# Altium PCB STM32-ROMI_Rev_A.PcbDoc (part 2 of 2)
Units mil, origin at the board's own origin, x right, y up, seen from the top; angles counter-clockwise.
Board outline 3630.03 x 5139.28 mil, 4 copper layers (Top Copper, GND1, Power1, Bottom Copper), stack 61.811 mil thick; 200 components, 162 nets, 720 pads, 364 vias.
Unrouted connection lines stored in the file: 8.
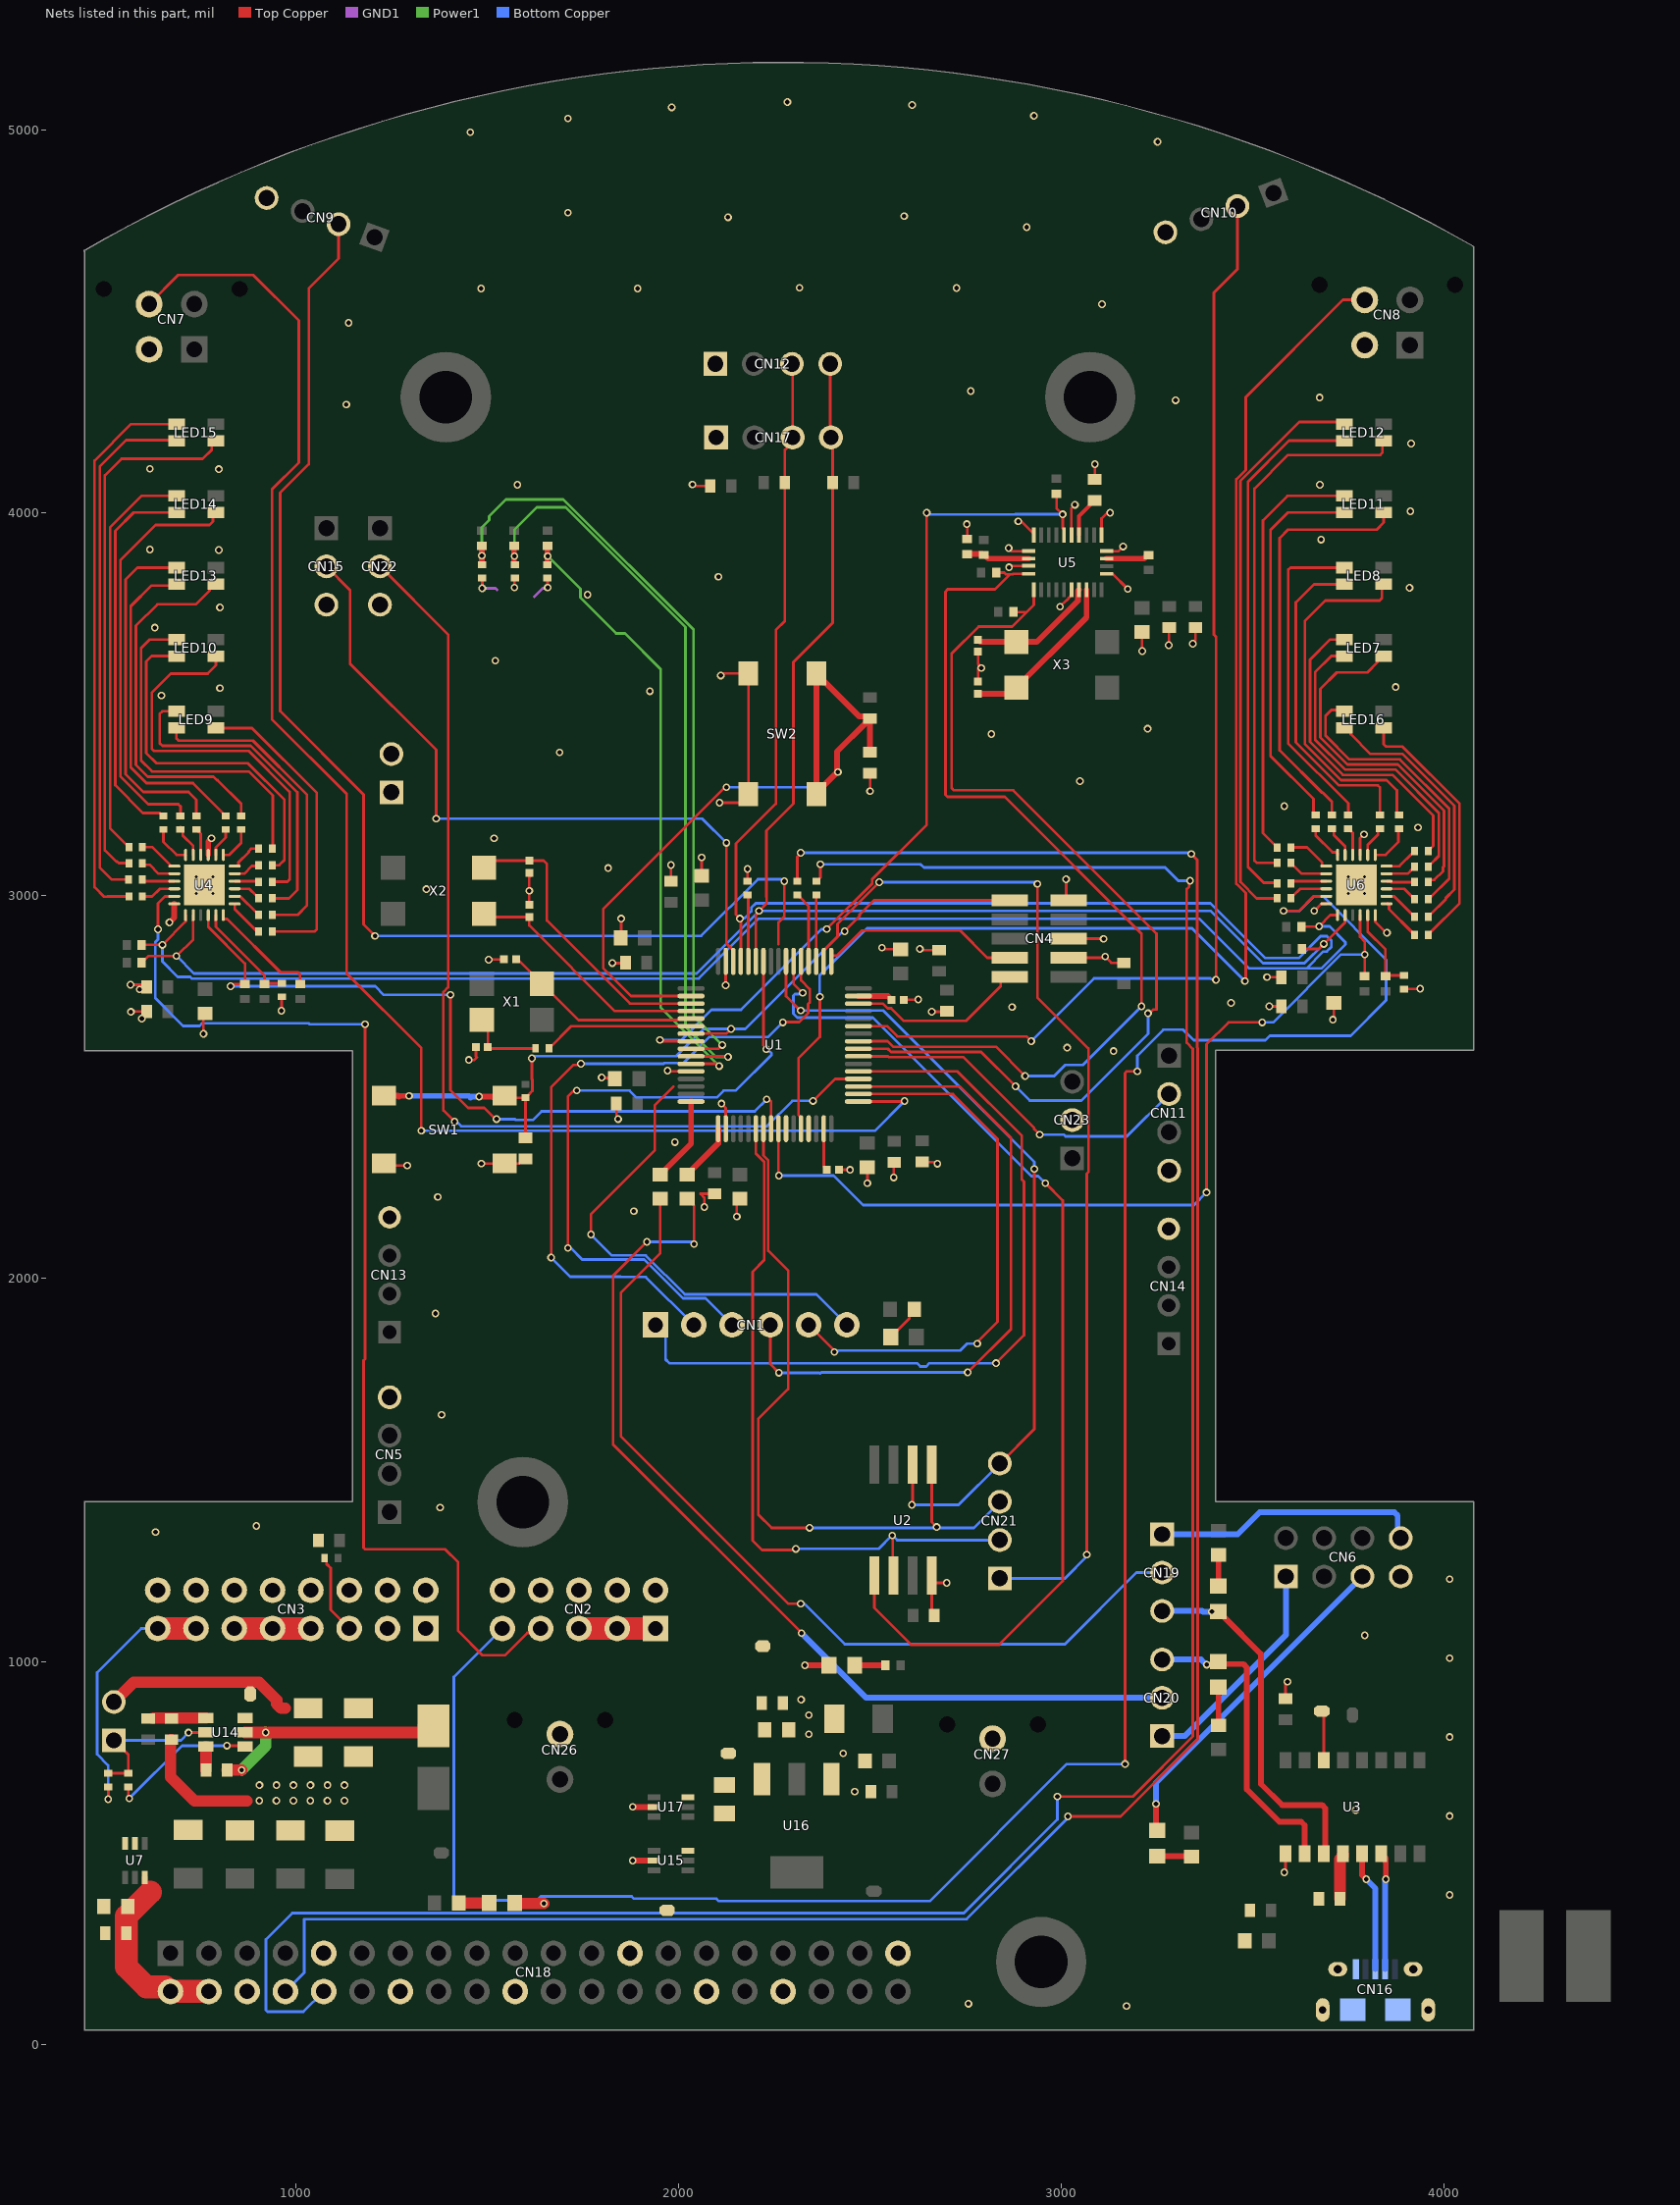
[diagram p4: the nets of this part, all layers, seen from the top]

## Via types
v1: diameter 20, hole 12, Top Copper to Bottom Copper, 356 vias
v2: diameter 19.68, hole 7.87, Top Copper to Bottom Copper, 8 vias

## Nets (pads, with @x,y where several pads share a name; then routed paths per layer and width w, separated by ;. In a path a pad name is that pad's centre, name@x,y a point inside that pad or via, vN(x,y) a via of type N, cw(c..) or ccw(c..) an arc to the next point about the centre after c; other vN are vias at no path point) (continued)
GND: C1.2 C2.2 C3.2 C4.2 C5.2 C6.2 C7.2 C8.2 C9.2 C10.2 C11.2 C12.2 C13.2 C14.2 C15.2 C16.2 C17.2 C18.2 C19.2 C20.2 C21.2 C22.2 C23.2 C24.2 C25.2 C26.2 C27.2 C28.2 C29.2 C30.2 C31.2 C32.2 C33.2 C34.2 C35.2 C36.2 C37.2 C38.2 C39.2 C40.2 C42.2 C43.2 C44.2 C45.2 C46.2 C47.2 C48.2 C49.2 C50.2 C51.2 C52.2 C53.2 C54.2 C55.2 CN2.2 CN2.4 CN2.6 CN2.8 CN2.10 CN3.2 CN3.4 CN3.6 CN3.8 CN3.10 CN3.12 CN3.14 CN3.16 CN4.3 CN4.5 CN4.9 CN5.4 CN6.7 CN7.2 CN8.2 CN9.4 CN10.4 CN11.4 CN12.1 CN13.4 CN14.4 CN15.3 CN16.5 CN17.1 CN18.6 CN18.9 CN18.14 CN18.20 CN18.25 CN18.30 CN18.34 CN18.39 CN22.3 CN23.2 CN25.1 CN25.2 CN26.2 CN27.2 LED5.2 LED6.2 R4.1 R15.1 R50.1 R63.1 R64.1 R69.1 R73.1 R74.1 R75.1 SW1.3 SW1.4 SW2.3 SW2.4 TP3.1 TP4.1 U1.12 U1.18 U1.63 U2.4 U3.1 U4.9 U4.18 U4.25 U5.2 U5.5 U5.6 U5.10 U5.15 U5.16 U5.18 U5.25 U6.9 U6.18 U6.24 U6.25 U7.2 U7.3 U15.2 U16.1 U17.2 | length 4595.4
  Top Copper w7: v1(568.39,2767.5) C26.2@611.39,2767.5 ; v1(569.39,2696.5) 570.39,2697.5 C27.2@610.83,2697.5 ; v1(592,2755) 594.71,2755 v1@596.71,2757 ; v1(598,2679) 600.71,2679 C27.2@602.71,2681 ; v1(759,2639) 759,2688.12 C28.2@763.39,2692.51 ; v1(962.39,2699.5) 963.39,2700.5 R64.1@963.39,2736.07 ; SW1.3@1206.52,2300.42 1212.94,2294 1213.94,2295 v1(1291,2295) ; v1(1452,2571) 1466.29,2571 1473,2577.71 1470.45,2580.26 1470.45,2603.8 C3.2@1470.25,2604 ; v1(1484.8,2300.42) 1584.04,2300.42 1596.06,2312.44 C4.2@1600,2312.44 ; v1(1487,3803) R73.1@1487,3829.28 ; v1(1504,2832.5) 1504.75,2833.25 1543.5,2833.25 C2.2@1544.25,2834 ; v1(1571,3805) 1571,3828.28 R74.1@1572,3829.28 ; C47.2@1610,2975.75 1610,3048.53 1616.24,3054.76 1615.24,3054.76 C30.2@1610,3060 ; R75.1@1657,3829.28 1658,3828.28 v1(1658,3805) ; v1(1799,2525) 1800.2,2523.8 1831.7,2523.8 C7.2@1833.5,2522 ; v1(1827,2824) 1857.56,2824 1858,2823.56 1860.44,2826 C12.2@1861.44,2825 ; C8.2@1837.44,2457 1837.44,2420.6 1841.54,2416.5 v1(1842,2416.5) ; C14.2@1848.5,2890 1850,2891.5 v1(1850,2940) ; v1(1971.21,2543.31) 1973.42,2541.1 U1.12@2032.5,2541.1 ; C11.2@1980,3037.56 v1(1980,3080) ; v1(2036,4074) 2038.71,4074 2042.71,4070 C21.2@2082.44,4070 ; C16.2@2060,3051.5 v1(2060,3100) ; v1(2067,2187) 2067,2211.57 2057.13,2221.44 C6.2@2094,2221.44 ; v1(2107.08,3242.92) 2160.33,3242.92 2182.42,3265.01 SW2.3@2182.42,3580.48 2118.19,3580.48 2112.71,3575 v1(2110,3575) ; v1(2112,2457) 2123.05,2445.95 U1.18@2123.05,2391.5 ; v1(2123,2766) U1.63@2123.05,2828.5 U1.63@2123.05,2828.5 ; v1(2152,2162) 2152,2195.5 2162.5,2206 C25.2@2160,2208.5 ; R4.1@2180,3037.72 v1(2180,3070) ; C20.2@2419.75,2284 v1(2448,2284) ; v1(2493,2249) C15.2@2493,2291 ; v1(2500,3273) C24.2@2500,3320 ; v1(2531,2864) 2533.71,2864 2537.71,2860 C17.2@2580,2860 ; v1(2562,2264) 2562,2302.44 C18.2@2563,2303.44 ; C19.2@2587.75,2728 2625,2728 v1(2626,2729) ; v1(2630,2861) 2632.71,2861 2636.15,2857.56 C10.2@2680,2857.56 ; C9.2@2636,2304.44 2668.85,2304.44 2673.29,2300 v1(2676,2300) ; U2.4@2661,1224 U2.4@2661,1214.1 ; v1(2661,2697) 2699.56,2697 C13.2@2701,2698.44 ; C5.2@2667.56,1120 2661,1126.56 U2.4@2661,1214.1 ; v1(2700,1205) 2680,1205 2679.9,1205.1 2670,1205.1 U2.4@2661,1214.1 ; v1(2753,3970.37) 2754,3969.37 R63.1@2754,3931.69 ; C50.2@2782,3558.75 2782,3593.59 2786.71,3598.29 v1(2790.64,3594.36) ; C49.2@2782,3637.25 2782,3605.71 2784,3603.71 v1@2784,3598.29 ; v1(2862,3908) 2870.11,3899.89 U5.16@2914.78,3899.89 ; v1(2863,3857.7) 2866.66,3861.36 U5.18@2914.78,3861.36 ; v1(2887,3978) 2894.15,3978 2927.57,3944.58 U5.15@2927.57,3941.74 ; v1(2996,3755) 3013.31,3772.31 3014.14,3772.31 3018.24,3776.42 3018.24,3777.24 3023.81,3782.81 3024.58,3782.81 3026,3784.24 U5.25@3026,3799 ; v1(3012,3043) 3012,2994.77 CN4.9@3018.77,2988 ; CN4.3@3018.77,2838 3108.29,2838 3111.29,2841 v1(3114,2841) 3130.44,2824.56 C1.2@3163,2824.56 ; CN4.5@3018.77,2888 3109,2888 v1(3110,2887) ; U5.10@3026,3941.74 3026,4012 v1(3035,4021) ; C51.2@3087,4087.56 v1(3087,4127) ; U5.6@3104.74,3941.74 3104.74,3985.22 3119.52,4000 v1(3127,4000) ; U5.2@3117.54,3840.83 3133.17,3840.83 v1(3173,3801) ; U5.5@3117.54,3899.89 3148.89,3899.89 v1(3161,3912) ; C48.2@3210,3688.63 3210,3640 v1(3211,3639) ; v1(3280,3654) 3281,3655 C34.2@3281,3700.44 ; v1(3343,3658) 3343,3660.71 3350,3667.71 C33.2@3350,3700.44 ; v1(3536.71,2787) C31.2@3574.44,2787 ; v1(3542.71,2711) C29.2@3574.44,2711 ; v1(3582,449) 3582,451.71 3585,454.71 U3.1@3585,497.95 ; C22.2@3585,902.56 3585,939.29 3590,944.29 v1(3590,947) ; v1(3660,2960) 3678.63,2978.63 U6.18@3691.52,2978.63 ; v1(3709,2676) 3709,2678.71 3711,2680.71 C32.2@3711,2717.5 ; U6.9@3780.1,3106.58 3780.1,3150.1 v1(3790,3160) ; U6.24@3819.47,2949.1 3819.47,2931.53 3848,2903 v1(3850,2903) ; R69.1@3895,2756.28 3936.28,2756.28 v1(3937,2757)
  Top Copper w15: v1(670,2930) 682.91,2942.91 U4.18@682.91,2978.63 ; U4.9@771.5,3106.58 771.5,3141.5 v1(780,3150) ; v1(1880,480) U15.2@1935.71,480 ; v1(1880,620) U17.2@1935.71,620 ; v1(2330,990) LED6.2@2393.07,990
  Top Copper w30: R15.1@675.5,795.93 674.22,795.93 673,794.7 673,697.98 735.5,635.48 872.5,635.48 ; LED5.2@1572,369 1573,368 v1(1648,368)
  GND1 w7: v1(1487,3803) 1522,3803 1526,3799 ; 1623,3781 1645,3803 1656,3803 v1(1658,3805)
  other v1: 3170,100 2757,106 4014,390 4014,596.25 3768,612 905,636 949.4,636 993.8,636 1038.2,636 1082.6,636 1127,636 2460,660 905.2,677 949.6,677 994,677 1038.4,677 1082.8,677 1127.2,677 2430,760 4014,802.5 2340,810 2340,860 2320,900 4014,1008.75 3792,1068 4014,1215 634,1338 897,1354 1377,1402 1381,1644 1365,1909 1883,2176 1371,2213 1990.25,2356.37 3136,2594 3015,2603 2871,2709 3443,2720 1610,3013 1341,3017 1816,3072 1518,3150 3931,3178 3582,3234 3048,3299 1689,3374 2817,3422 3225,3436 649,3523 1925,3534 802,3542 3873,3545 1521,3614 632,3700 802,3753 1762,3786 3909,3804 2104,3833 799,3903 619,3904 3678,3930 3911,4004 1579,4073 3675,4073 799,4114 619,4115 3913,4181 1132,4283 3298,4294 3674,4301 2763,4318 1138,4496 3106,4545 1484,4586 1893,4586 2726,4587 2316,4588 2909,4746 2129,4772 2589,4775 1711,4784 3251,4969 1456,4994 1711,5030 2928,5037 1982,5059 2610,5065 2284,5073
  other v2: 740,3006.19 783.31,3006.19 3748.61,3006.19 3791.91,3006.19 740,3049.5 783.31,3049.5 3748.61,3049.5 3791.91,3049.5
I2C1_SCL: CN12.3 CN17.3 R9.1 R59.1 R66.1 U1.61 U4.19 U6.19 | length 7038.5
  Top Copper w7: R59.1@597.76,2871.5 v1(651.69,2871.5) 712.44,2932.26 U4.19@712.44,2949.1 ; U1.61@2162.42,2828.5 2162.42,2934.88 2160,2937.29 v1(2160,2940) 2160,2940.86 2150,2950.86 2150,3136 2254,3240 2254,3694 2277.56,3717.56 R9.1@2277.56,4078.8 2277.56,4164.65 2298,4185.09 CN17.3@2298,4197 2298,4387 CN12.3@2296,4389 ; R66.1@3626.75,2919 3672,2919 v1(3673,2920) 3702.1,2949.1 U6.19@3721.05,2949.1
  Bottom Copper w7: v1(651.69,2871.5) 651.69,2828.31 692,2788 723.81,2788 728.31,2783.5 2052.59,2783.5 2209.09,2940 3360,2940 3490,2810 3640.09,2810 ; v1(2160,2940) 2161.91,2941.91 2172.82,2941.91 2190,2959.09 2190,2968.28 2201.72,2980 3389.09,2980 3532.09,2837 3619.72,2837 3676.72,2894 3693.28,2894 3705,2882.28 3705,2865.72 3693.28,2854 3684.09,2854 3640.09,2810 ; v1(3673,2920) 3700,2920 3741.68,2878.32 3741.68,2872.53 3679.15,2810 3640.09,2810
I2C1_SDA: CN12.4 CN17.4 R10.1 R58.1 R65.1 U1.59 U4.20 U6.20 | length 5191.5
  Top Copper w7: R58.1@597.76,2824.5 597.76,2826.47 603.59,2832.3 605.56,2832.3 615.76,2842.5 v1(688.39,2842.5) ; v1@689.39,2842.5 732.13,2885.24 U4.20@732.13,2949.1 ; U1.59@2201.79,2828.5 2201.79,2949.14 2210,2957.35 v1(2210,2960) 2230,2980 2230,2996.84 2229.5,2997.34 2229.5,3169.5 2300,3240 2300,3610 2402.44,3712.44 R10.1@2402.44,4078.8 2402.44,4192.56 CN17.4@2398,4197 2396,4199 CN12.4@2396,4389 ; R65.1@3627.69,2861 3672,2861 v1(3685,2874) 3740.73,2929.73 U6.20@3740.73,2949.1
  Bottom Copper w7: v1(688.39,2842.5) 733.9,2797 2047,2797 v1(2210,2960) 3390,2960 3526.5,2823.5 3634.5,2823.5 v1(3685,2874)
I2C3_SCL: R56.1 U1.41 U5.19 | length 2510
  Top Copper w7: U1.41@2469.5,2619.84 2545.88,2619.84 2560.22,2605.5 2828.5,2605.5 v1(2905,2529) ; R56.1@2829.37,3844 2850.54,3844 2855.34,3839.2 2865.2,3839.2 ; U5.19@2914.78,3840.83 2873.88,3840.83 2872.25,3839.2 2865.2,3839.2 ; v1(3209,2711) 3209,2901 2852,3258 2702.86,3258 2697,3263.86 2697,3794.14 2702.86,3800 2826,3800 2865.2,3839.2
  Bottom Copper w7: v1(2905,2529) 2980.95,2529 3009.83,2557.87 3055.87,2557.87 v1(3209,2711)
I2C3_SDA: R57.1 U1.40 U5.20 | length 2544.2
  Top Copper w7: U1.40@2469.5,2600.16 2546.48,2600.16 2554.63,2592 2790,2592 v1(2880,2502) ; R57.1@2874.69,3741 2906.29,3741 ; U5.20@2927.57,3798.98 2927.57,3759.57 2871,3703 2783.75,3703 2713,3632.24 2713,3281.07 2718.86,3275.21 2873.79,3275.21 3248,2901 3248,2703 3239.85,2703 3229.52,2692.67 v1(3226,2692.67)
  Bottom Copper w7: v1(2880,2502) 2917,2465 3051.6,2465 3226,2639.4 v1(3226,2692.67)
IMU_RST: R53.1 U1.8 U5.11 | length 2307.1
  Top Copper w7: v1(1951,2623) 1954.52,2623 1957.68,2619.84 U1.8@2032.5,2619.84 ; v1(2387,2913) 2505.35,3031.35 2505.35,3042.66 2648,3185.31 v1(2648,4000) ; R53.1@2987,4049.69 2987,4012 v1(3003,3996) 3003,3959.82 3006.31,3956.5 U5.11@3006.31,3941.74
  Bottom Copper w7: v1(1951,2623) 2007,2623 2086,2702 2163,2702 2373,2912 2386,2912 v1(2387,2913) ; v1(2648,4000) 2652,3996 2878.84,3996 2879.34,3996.5 3002.5,3996.5 v1(3003,3996)
LEDL_B1: R17.1 U4.1 | length 101.7
  Top Copper w7: U4.1@840.39,2978.63 840.69,2978.33 840.69,2964.49 895.85,2909.33 897.82,2909.33 901.68,2905.47 R17.1@901.68,2903.5
LEDL_B2: R18.1 U4.4 | length 60.2
  Top Copper w7: U4.4@840.39,3037.69 897.5,3037.69 R18.1@899.68,3035.5
LEDL_B3: R33.1 U4.7 | length 93.7
  Top Copper w7: U4.7@810.87,3106.58 826.58,3106.58 857.39,3137.39 R33.1@857.39,3171.79
LEDL_B4: R34.1 U4.11 | length 87.8
  Top Copper w7: R34.1@699,3179.53 699,3171.57 700.97,3171.57 704.83,3167.71 704.83,3157.17 732.13,3129.87 U4.11@732.13,3106.58
LEDL_B5: R43.1 U4.14 | length 94.7
  Top Copper w7: R43.1@599.72,3085 599.72,3084.86 603.57,3081 618,3081 641.63,3057.37 U4.14@682.91,3057.37
LEDL_G1: R25.1 U4.3 | length 74.4
  Top Copper w7: U4.3@840.39,3018 878.39,3018 897.46,2998.93 899.43,2998.93 903.28,2995.07 R25.1@903.28,2993.1
LEDL_G2: R26.1 U4.6 | length 88.6
  Top Copper w7: U4.6@840.39,3077.06 849.38,3077.06 850.44,3078.12 850.44,3087.1 877,3113.66 877,3116 884,3123 R26.1@903.28,3123
LEDL_G3: R37.1 U4.10 | length 72.4
  Top Copper w7: R37.1@740.36,3173.06 742.32,3173.06 746.18,3169.2 746.18,3167.24 751.81,3161.61 U4.10@751.81,3106.58
LEDL_G4: R38.1 U4.13 | length 104.9
  Top Copper w7: R38.1@599.72,3127 625,3127 672.17,3079.83 672.17,3078.12 673.23,3077.06 U4.13@682.91,3077.06
LEDL_G5: R45.1 U4.16 | length 91.5
  Top Copper w7: R45.1@599.72,2998 625,2998 645,3018 U4.16@682.91,3018
LEDL_R1: R29.1 U4.2 | length 84.1
  Top Copper w7: U4.2@840.39,2998.32 854.77,2998.32 897.46,2955.63 899.43,2955.63 903.28,2951.77 R29.1@903.28,2949.8
LEDL_R2: R30.1 U4.5 | length 72.1
  Top Copper w7: U4.5@840.39,3057.37 865.37,3057.37 885.28,3077.28 900.87,3077.28 R30.1@903.28,3079.7
LEDL_R3: R41.1 U4.8 | length 77.2
  Top Copper w7: U4.8@791.18,3106.58 791.18,3126.18 817,3152 R41.1@817,3173.06
LEDL_R4: R42.1 U4.12 | length 104.6
  Top Copper w7: R42.1@654.36,3173.06 654.36,3140.64 688.42,3106.58 U4.12@712.44,3106.58
LEDL_R5: R47.1 U4.15 | length 86
  Top Copper w7: R47.1@599,3042 599,3041.54 602.86,3037.69 U4.15@682.91,3037.69
LEDR_B1: R44.1 U6.1 | length 115.2
  Top Copper w7: U6.1@3849,2978.63 3854.31,2978.63 3855.37,2977.57 3855.37,2964.91 3916.46,2903.83 3918.43,2903.83 3922.28,2899.97 R44.1@3922.28,2898
LEDR_B2: R11.1 U6.4 | length 76.2
  Top Copper w7: U6.4@3849,3037.69 3858.69,3037.69 3860.97,3035.4 R11.1@3924.28,3035.4
LEDR_B3: R12.1 U6.7 | length 108.2
  Top Copper w7: U6.7@3819.47,3106.58 3846.58,3106.58 3880,3140 3880,3171 R12.1@3882,3173
LEDR_B4: R31.1 U6.11 | length 83.3
  Top Copper w7: R31.1@3706.25,3175 3707.22,3175 3711.07,3171.14 3711.07,3158.93 3740.73,3129.27 U6.11@3740.73,3106.58
LEDR_B5: R32.1 U6.14 | length 105.8
  Top Copper w7: R32.1@3598.72,3086 3598.72,3084.03 3602.57,3080.17 3604.54,3080.17 3627.35,3057.37 U6.14@3691.52,3057.37
LEDR_G1: R46.1 U6.3 | length 85.6
  Top Copper w7: U6.3@3849,3018 3895.28,3018 3916.46,2996.83 3918.43,2996.83 3922.28,2992.97 R46.1@3922.28,2991
LEDR_G2: R23.1 U6.6 | length 91
  Top Copper w7: U6.6@3849,3077.06 3882.34,3077.06 3916.46,3111.17 3918.43,3111.17 3922.28,3115.03 R23.1@3922.28,3117
LEDR_G3: R24.1 U6.10 | length 74.6
  Top Copper w7: R24.1@3749,3175.28 3750.97,3175.28 3754.83,3171.43 3754.83,3169.46 3760.42,3163.87 U6.10@3760.42,3106.58
LEDR_G4: R35.1 U6.13 | length 117.5
  Top Copper w7: R35.1@3599,3126 3641,3126 3680.77,3086.23 3680.77,3078.12 3681.83,3077.06 U6.13@3691.52,3077.06
LEDR_G5: R36.1 U6.16 | length 104
  Top Copper w7: R36.1@3599,2993 3599,2994.97 3602.86,2998.83 3604.83,2998.83 3624,3018 U6.16@3691.52,3018
LEDR_R1: R48.1 U6.2 | length 96.5
  Top Copper w7: U6.2@3849,2998.32 3868.97,2998.32 3916.46,2950.83 3918.43,2950.83 3922.28,2946.97 R48.1@3922.28,2945
LEDR_R2: R27.1 U6.5 | length 82.2
  Top Copper w7: U6.5@3849,3057.37 3903.65,3057.37 3916.46,3070.17 3918.43,3070.17 3922.28,3074.03 R27.1@3922.28,3076
LEDR_R3: R28.1 U6.8 | length 82.9
  Top Copper w7: U6.8@3799.79,3106.58 3799.79,3132.79 3826.69,3159.69 3826.69,3171.43 3830.55,3175.28 R28.1@3832,3175.28
LEDR_R4: R39.1 U6.12 | length 99.5
  Top Copper w7: R39.1@3664,3175.28 3664,3157 3707.68,3113.32 3719.98,3113.32 3721.05,3112.25 U6.12@3721.05,3106.58
LEDR_R5: R40.1 U6.15 | length 95.9
  Top Copper w7: R40.1@3599,3032 3599,3033.83 3602.86,3037.69 U6.15@3691.52,3037.69
NetC2_1: C2.1 U1.5 X1.3 | length 524.2
  Top Copper w7: C2.1@1575.75,2834 1580.98,2828.76 1584.72,2828.76 X1.3@1643.48,2770 1738.48,2675 1997.77,2675 2001.67,2678.9 U1.5@2032.5,2678.9
NetC3_1: C3.1 R3.1 X1.1 | length 203.8
  Top Copper w7: X1.1@1486,2675.51 1501.75,2659.76 C3.1@1501.75,2604 1504.75,2601 R3.1@1626.28,2601
NetC19_1: C19.1 U1.47 | length 90.9
  Top Copper w15: U1.47@2469.5,2737.95 2546.3,2737.95 C19.1@2556.25,2728
NetC20_1: C20.1 U1.31 | length 110.9
  Top Copper w7: U1.31@2378.95,2391.5 2378.95,2294.84 2380.52,2293.27 2380.52,2290.74 C20.1@2387.25,2284
NetC23_1: C23.1 U3.4 | length 121
  Top Copper w30: C23.1@3727.56,380 3727.56,483.9 3735,491.34 U3.4@3735,497.95
NetC30_1: C30.1 U1.3 X2.1 | length 790.2
  Top Copper w7: X2.1@1491.48,3072.49 1510.49,3091.5 C30.1@1610,3091.5 1647.5,3091.5 1656,3083 1656,2935 1872.73,2718.27 U1.3@2032.5,2718.27
NetC41_1: C41.1 U14.6 | length 61.2
  Top Copper w30: U14.6@765.5,777.48 765.94,777.04 C41.1@765.94,716.48
NetC41_2: C41.2 L1.1 U14.2 | length 682.9
  Top Copper w30: C41.2@821.06,716.48 v1(858.5,716.48) ; U14.2@867.5,814.48 v1(921.5,814.48) 1269.5,814.48 1333.66,814.48 1333.66,832.48 L1.1@1360,858.82
  Power1 w30: v1(858.5,716.48) 921.5,779.48 v1(921.5,814.48)
NetC42_1: C42.1 C43.1 FB1.2 TP7.1 U16.3
NetC47_1: C47.1 U1.4 X2.4 | length 659.4
  Top Copper w7: X2.4@1491.48,2953 1500.23,2944.25 C47.1@1610,2944.25 1610,2922 1833.42,2698.58 U1.4@2032.5,2698.58
NetC49_1: C49.1 U5.26 X3.4 | length 337.7
  Top Copper w15: C49.1@2782,3668.75 2787.75,3663 2935.82,3663 3043.11,3770.29 3043.11,3796.42 U5.26@3045.69,3799
NetC50_1: C50.1 U5.27 X3.1 | length 438.2
  Top Copper w15: C50.1@2782,3527.25 2865.74,3527.25 3065.37,3726.88 U5.27@3065.37,3799
NetC51_1: C51.1 U5.9 | length 110.1
  Top Copper w10: U5.9@3045.69,3941.74 3045.69,3991.13 3076.78,4022.22 3076.78,4026.16 3083.06,4032.44 C51.1@3087,4032.44
NetCN6_5: CN6.5 LED2.2 | length 888.1
  Top Copper w15: v1(3247,628) 3247,561.43 LED2.2@3250,558.43
  Bottom Copper w15: v1(3247,628) 3247,683 CN6.5@3786,1222
NetCN16_2: CN16.2 U3.6 | length 307.2
  Top Copper w15: U3.6@3835,497.95 3846.46,486.49 3846.46,476.24 3847,475.7 v1(3847,431)
  Bottom Copper w7: v1@3845.59,429.59 v1(3847,431)
  Bottom Copper w15: CN16.2@3845.59,196.3 v1@3845.59,429.59
NetCN16_3: CN16.3 U3.5 | length 316.2
  Top Copper w15: U3.5@3785,497.95 3785,442 v1(3796,431)
  Bottom Copper w15: v1(3796,431) 3820,407 CN16.3@3820,196.3
NetCN18_8: CN18.8 R52.2 | length 6158
  Top Copper w7: R52.2@2310,3037.72 2310,3101.4 2319,3110.4 v1(2319,3112) ; v1(3017,595) 3154,595 3356,797 3356,2601.85 3354.5,2603.35 3354.5,3093.5 v1(3339,3109)
  Bottom Copper w7: CN18.8@973,138 1022,187 1022,327 2752,327 3017,592 v1(3017,595) ; v1(2319,3112) 3332.48,3112 3335.48,3109 v1(3339,3109)
NetCN18_10: CN18.10 R51.2 | length 6314
  Top Copper w7: R51.2@2360,3037.72 2361.97,3037.72 2367.33,3043.07 2367.33,3045.04 2370,3047.72 v1(2370,3082) ; v1(2989,647) 3186,647 3343,804 3343,2600 3327,2616 3327,3017 3333.51,3023.51 3333.51,3036.51 v1(3336,3039)
  Bottom Copper w7: CN18.10@1073,138 1020,85 926.1,85 922,89.1 922,274 991,343 2745,343 2989,587 v1(2989,647) ; v1(2370,3082) 2631.84,3082 2640.34,3073.5 3270.5,3073.5 3305,3039 v1(3336,3039)
NetCN24_1: CN24.1 R70.2 R71.2 U14.5 | length 404
  Top Copper w7: R71.2@510,707.72 R70.2@563,707.72 563,756 CN24.1@525,794 ; v1(720,814) 720.48,814.48 U14.5@765.5,814.48
  Bottom Copper w7: CN24.1@525,794 700,794 v1(720,814)
NetFB1_1: FB1.1 U15.6 U17.6
NetLED1_2: LED1.2 R1.1 | length 99.6
  Top Copper w7: LED1.2@2554.07,1847 2554.07,1848.97 2568.76,1863.65 2570.72,1863.65 2602.78,1895.71 2602.78,1907.28 R1.1@2615.5,1920
NetLED2_1: LED2.1 R2.1 | length 90.6
  Top Copper w15: LED2.1@3250,491.5 3338.5,491.5 R2.1@3340,490
NetLED3_1: LED3.1 R6.1 | length 100.1
  Top Copper w15: R6.1@3410,832.99 LED3.1@3410,933.07
NetLED4_1: LED4.1 R7.1 | length 81.6
  Top Copper w15: LED4.1@3410,1196.93 R7.1@3410,1278.5
NetLED5_1: LED5.1 R14.1 | length 79.6
  Top Copper w30: R14.1@1425.5,369 LED5.1@1505.07,369
NetLED6_1: LED6.1 R16.1 | length 80.3
  Top Copper w15: LED6.1@2460,990 R16.1@2540.31,990
NetLED7_1: LED7.1 R23.2 | length 826.4
  Top Copper w7: LED7.1@3738.43,3669.15 3701.77,3669.15 3649,3616.38 3649,3401.82 3735.32,3315.5 3864.5,3315.5 3971,3209 3971,3130.28 3963.54,3122.83 3961.57,3122.83 3957.72,3118.97 R23.2@3957.72,3117
NetLED7_3: LED7.3 R27.2 | length 824.7
  Top Copper w7: LED7.3@3738.43,3625.85 3704.85,3625.85 3662.5,3583.5 3662.5,3407.41 3740.91,3329 3872.91,3329 3985.5,3216.41 3985.5,3103.78 3963.54,3081.83 3961.57,3081.83 3957.72,3077.97 R27.2@3957.72,3076
NetLED7_4: LED7.4 R11.2 | length 945.1
  Top Copper w7: LED7.4@3841.57,3625.85 3834.69,3625.85 3824.92,3616.08 3824.92,3609.19 3798.73,3583 3719,3583 3676,3540 3676,3413 3746.5,3342.5 3878.5,3342.5 3999,3222 3999,3076.68 3996.37,3074.05 3996.37,3063.86 3973.74,3041.23 3961.57,3041.23 3957.72,3037.37 R11.2@3957.72,3035.4
NetLED8_1: LED8.1 R24.2 | length 854
  Top Copper w7: LED8.1@3738.43,3856.65 3597.86,3856.65 3592,3850.8 3592,3398 3749,3241 R24.2@3749,3210.72
NetLED8_3: LED8.3 R28.2 | length 851.9
  Top Copper w7: LED8.3@3738.43,3813.35 3659.35,3813.35 3612,3766 3612,3400.63 3724.63,3288 3826.14,3288 3832,3282.14 R28.2@3832,3210.72
NetLED8_4: LED8.4 R12.2 | length 944.6
  Top Copper w7: LED8.4@3841.57,3813.35 3837,3808.77 3837,3776.86 3831.14,3771 3689,3771 3635.5,3717.5 3635.5,3396.22 3729.72,3302 3849.35,3302 3876.17,3275.18 3876.17,3214.57 3880.03,3210.72 R12.2@3882,3210.72
NetLED9_1: LED9.1 R25.2 | length 865
  Top Copper w7: LED9.1@688.43,3481.65 651.77,3481.65 644.5,3474.38 644.5,3398.5 651.5,3391.5 882.59,3391.5 1004,3270.09 1004,3015 982.1,2993.1 R25.2@938.72,2993.1
NetLED9_3: LED9.3 R29.2 | length 819.3
  Top Copper w7: LED9.3@688.43,3438.35 688.43,3410.86 694.28,3405 888.18,3405 1029,3264.18 1029,2974 1004.8,2949.8 R29.2@938.72,2949.8
NetLED9_4: LED9.4 R17.2 | length 808.5
  Top Copper w7: LED9.4@791.57,3438.35 792.29,3437.63 885.63,3437.63 1055,3268.26 1055,2912.36 1049.14,2906.5 R17.2@938.72,2906.5
NetLED10_1: LED10.1 R26.2 | length 916.2
  Top Copper w7: LED10.1@688.43,3669.15 619.15,3669.15 596,3646 596,3352.95 624.45,3324.5 877.32,3324.5 940,3261.82 940,3124.28 R26.2@938.72,3123